# Altium PCB Avcilar_Kartli_Gecis_Sistemi.PcbDoc
Units mm, origin at the board's own origin, x right, y up, seen from the top; angles counter-clockwise.
Board outline 49 x 88 mm, 2 copper layers (Top Layer, Bottom Layer), stack 1.569 mm thick; 49 components, 46 nets, 194 pads, 92 vias.
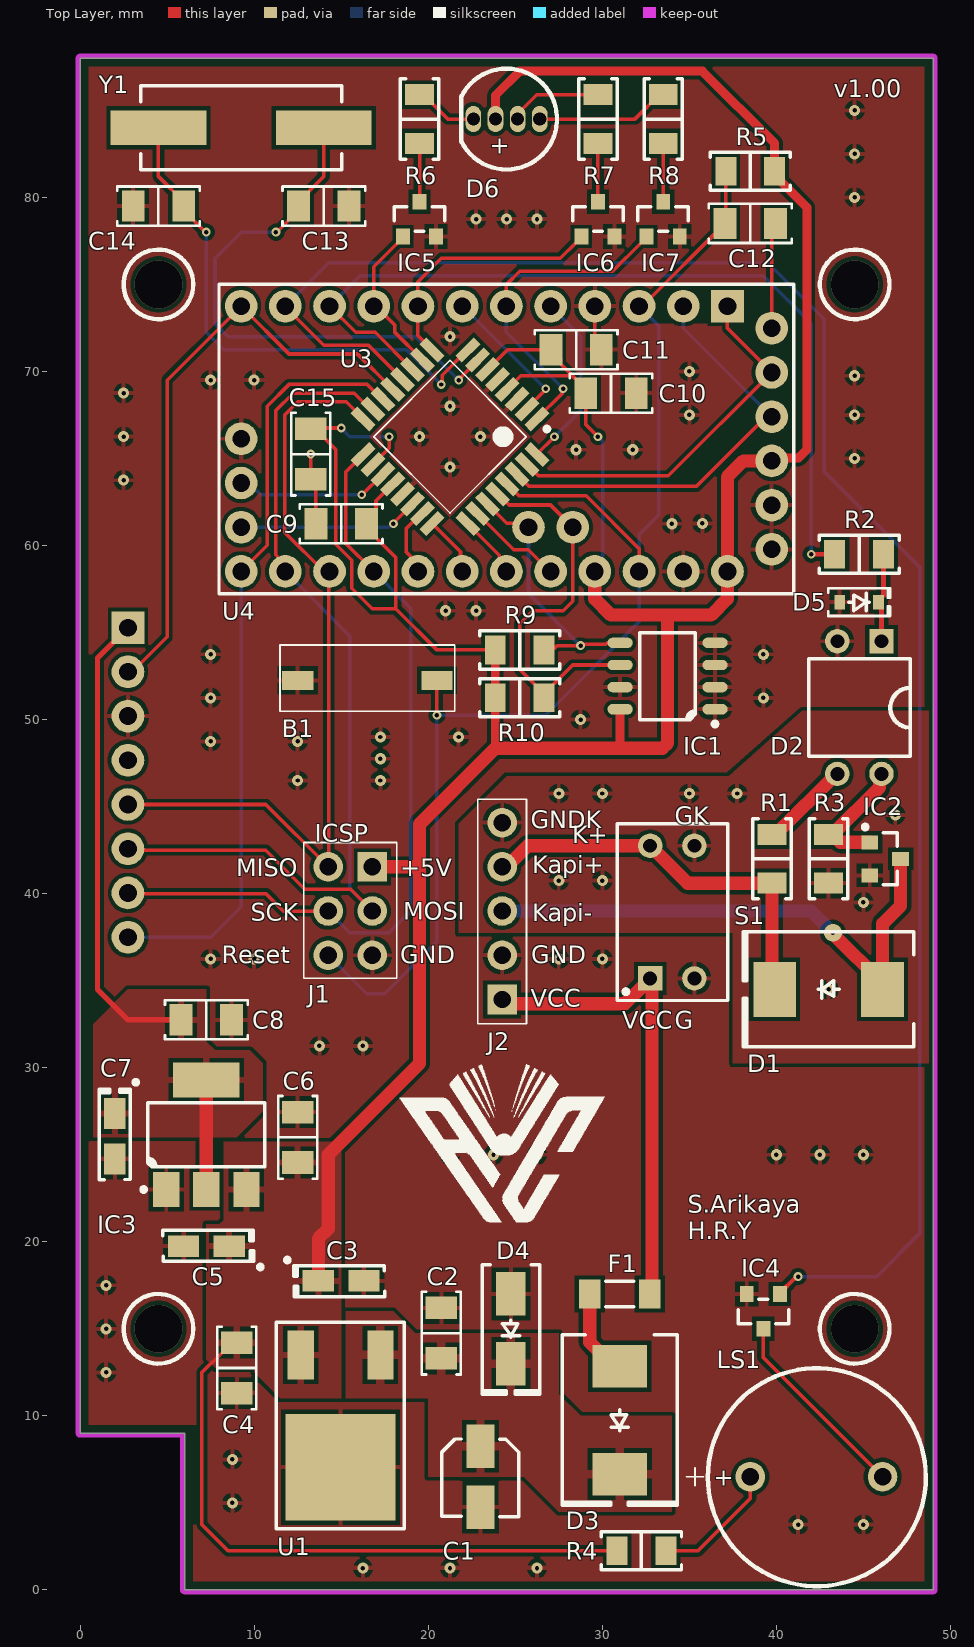
[diagram p0: Top Layer view]
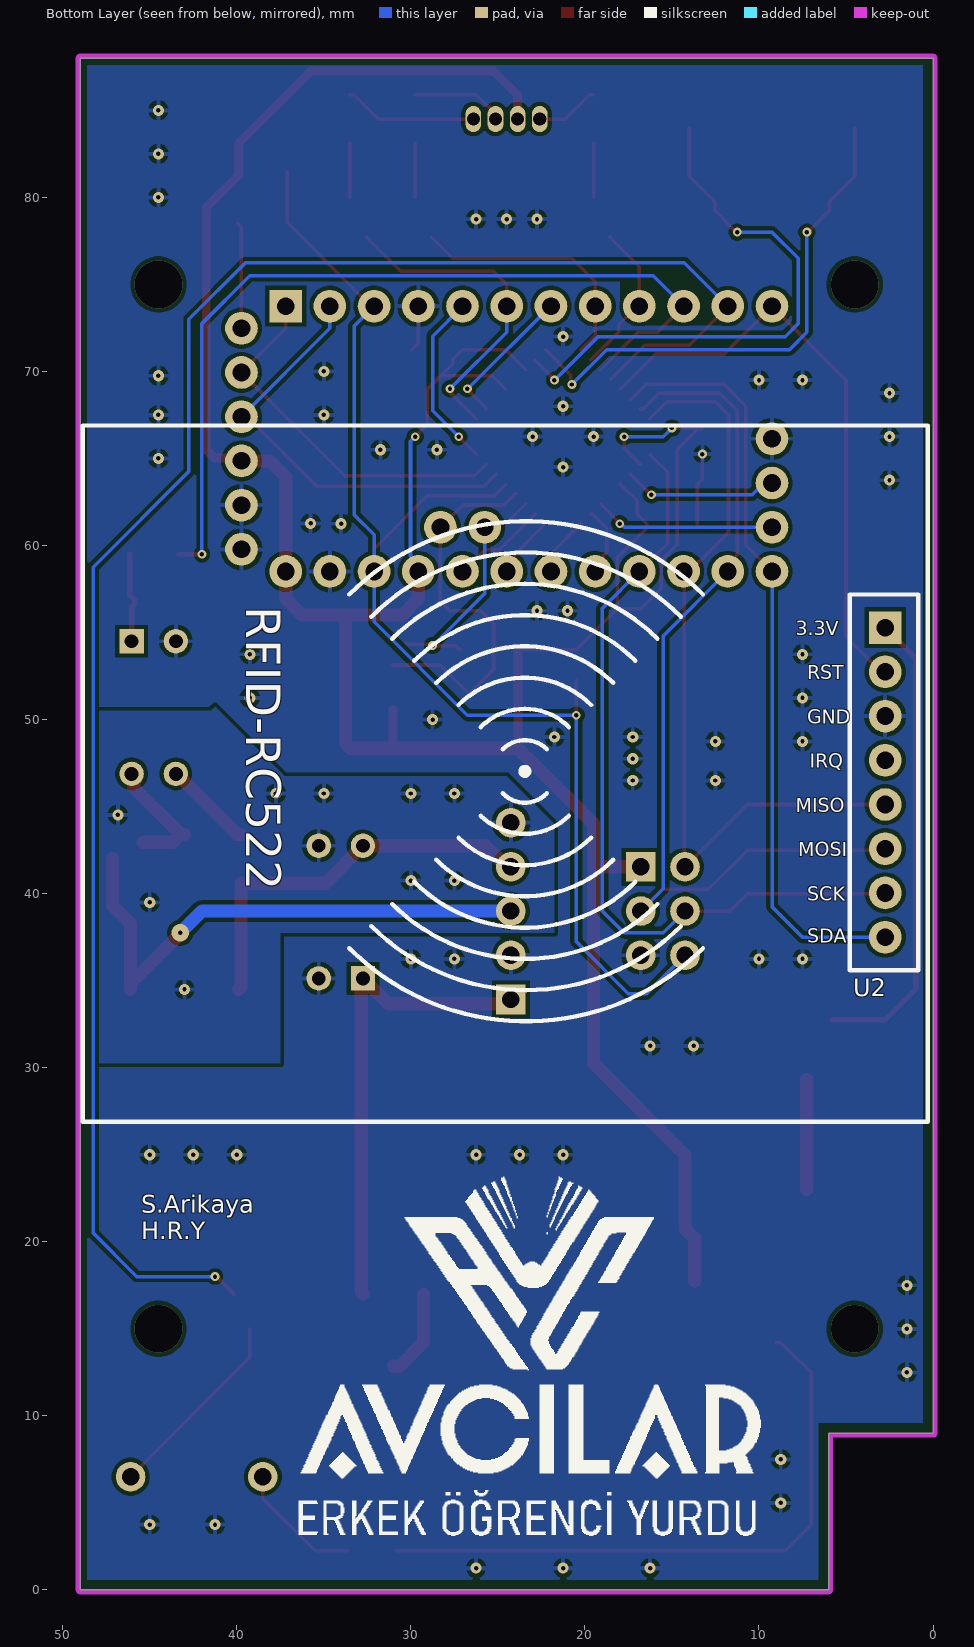
[diagram p1: Bottom Layer view, seen from below]

## Layer stack, top to bottom
Top Solder: solder mask 0.0254, SM-001, Dk 4
Top Layer: signal copper 0.035
Dielectric 1: core 1.4986, Core-043, Dk 4.3
Bottom Layer: signal copper 0.035
Bottom Solder: solder mask 0.0254, SM-001, Dk 4

## Board outline
0,9 0,88 49,88 49,0 6,0 6,9

## Design rules (kind name [scope] priority, off if disabled: settings)
Clearance [All] p1: gap=0.229 ignorepadtopadclearanceinfootprint=TRUE
PlaneClearance [All] p1: clearance=0.635
PlaneConnect [All] p1: planeconnectstyle=Relief reliefexpansion=0.508 reliefentries=4 reliefconductorwidth=0.254 reliefairgap=0.381
PolygonConnect [All] p1: connectstyle=Relief reliefconductorwidth=0.254 reliefentries=4 polygonreliefangle="90 Angle" airgapwidth=0.254
RoutingVias [All] p1: holewidth=0.254 width=0.508 viastyle="Through Hole" minholewidth=0.152 minwidth=0.254 maxholewidth=0.711 maxwidth=1.27
SilkToSilkClearance [All] p1: silktosilkclearance=0.203
SolderMaskExpansion [All] p1: expansion=0.102 istentingtop=FALSE
Width [All] p1: maxlimit=1.27 minlimit=0.203 preferedwidth=0.635 minimp=50.000000 maximp=50.000000 favimp=50.000000
27 further rules are at their usual default settings.

## Components (designator, comment, footprint, x,y, rotation, side; value= is the part's Value field where it differs from the comment)
B1 "Push Button Tact" "PUSB BUTTON-SMD TACT" 12.5,52.25 r0 top
C1 "1µF" "CAP ALSMD POLY 4.3MM H5.5MM" 23,6.5 r270 top
C2 "0.1µF" "CAP 1206_3216 - 1.8MM" 20.75,14.75 r270 top
C3 "10µF" "CAP POL 1206_3216" 15,17.75 r0 top
C4 "0.1µF" "CAP 1206_3216 - 1.0MM" 9,12.75 r90 top
C5 "10µF" "CAP POL 1206_3216" 7.25,19.75 r180 top
C6 "0.1µF" "CAP 1206_3216 - 1.0MM" 12.5,26 r270 top
C7 "10µF" "CAP POL 1206_3216" 2,26.06 r270 top
C8 "0.1µF" "CAP 1206_3216 - 1.0MM" 7.25,32.75 r180 top
C9 "0.1µF" "CAP 1206_3216 - 1.0MM" 15,61.25 r0 top
C10 "0.1µF" "CAP 1206_3216 - 1.0MM" 30.5,68.75 r180 top
C11 "0.1µF" "CAP 1206_3216 - 1.0MM" 28.5,71.25 r180 top
C12 "0.1µF" "CAP 1206_3216 - 1.0MM" 38.5,78.5 r180 top
C13 "10pF" "CAP 1206_3216 - 1.0MM" 14,79.5 r180 top
C14 "10pF" "CAP 1206_3216 - 1.0MM" 4.5,79.5 r0 top
C15 "0.1µF" "CAP 1206_3216 - 1.0MM" 13.25,65.25 r90 top
D1 "S2G_R3_00001" "DO214AB SMC" 43,34.5 r180 top
D2 "LTV-817S-TA" DIP-4 46.04,54.5 r270 top
D3 "S2G_R3_00001" "DO214AB SMC" 31,9.75 r270 top
D4 "TVS" "DO214AC SMA" 24.75,15 r270 top
D5 "1N4448WS-HE3-08" SOD323 44.75,56.75 r0 top
D6 "RGB LED" "RGB LED" 24.5,84.5 r0 top value=Green
F1 "3413.0219.22" "FUSE 1206_3216 0.6MM" 31,17 r0 top
IC1 "24C02C-I/SN" "MICROCHIP SOIC-8 150MIL WIDE" 33.75,52.5 r180 top
IC2 "IRLML0060TRPBF" "INFINEON SOT-23-3" 46.25,42 r0 top
IC3 "LD1117S33TR" "ST SOT-223" 7.25,26.15 r90 top
IC4 "2N7002" "ON SEMI SOT-23-3" 39.25,16 r270 top
IC5 "2N7002" "ON SEMI SOT-23-3" 19.5,78.75 r90 top
IC6 "2N7002" "ON SEMI SOT-23-3" 29.75,78.75 r90 top
IC7 "2N7002" "ON SEMI SOT-23-3" 33.5,78.75 r90 top
J1 "HEADER 2.54mm 2x3" "HEADER 2.54MM 2X3" 14.25,41.54 r270 top
J2 "HEADER 2.54mm 1x5" "HEADER 2.54MM 1X5" 24.25,33.92 r90 top
LS1 "BUZZER 5v" "BUZZER 5v" 38.5,6.5 r0 top
R1 "390 Ohm" "RES 1206_3216" 39.75,42 r270 top
R2 "220 Ohms" "RES 1206_3216" 44.75,59.5 r180 top
R3 "1.9 KOhm" "RES 1206_3216" 43,42 r90 top
R4 "330 Ohms" "RES 1206_3216" 32.25,2.25 r180 top
R5 "10 KOhms" "RES 1206_3216" 38.5,81.5 r180 top
R6 "330 Ohms" "RES 1206_3216" 19.5,84.5 r90 top
R7 "330 Ohms" "RES 1206_3216" 29.75,84.5 r90 top
R8 "330 Ohms" "RES 1206_3216" 33.5,84.5 r90 top
R9 "10 K" "RES 1206_3216" 25.25,54 r0 top
R10 "10 K" "RES 1206_3216" 25.25,51.25 r0 top
S1 "Switch Dip-4" "DIP-4 - SWITCH" 32.75,35.13 r90 top
U1 "LM78XX" "D2PAK-3 (TO263-3)" 14.964,7.05 r180 top
U2 "RFID-RC522" RFID-RC522 2.75,46.898 r270 bottom locked
U3 "ATMEGA328P-AU" TQFP80P900X900X120-32N 21.25,66.25 r225 top
U4 "Arduino_Pro_Mini" ARDUINO_PRO_MINI 41,75.02 r180 top locked
Y1 "16MHz" "TXC 9C" 9.25,84 r180 top

## Footprints (in the part's own frame and the unit in brackets; to place one, negate y for a bottom-side part, rotate by r counter-clockwise, add the part's x,y. Pads: shape width x height; smd on the part's side, far side on the other; paste and mask are expansions set on the pad)
ARDUINO_PRO_MINI [mil]
  rect 74x74 hole 40: 1(150,50)
  round 74 hole 40: 2(250,50) 3(350,50) 4(450,50) 5(550,50) 6(650,50) 7(750,50) 8(850,50) 9(950,50) 10(1050,50) 11(1150,50) 12(1250,50) 13(1250,650) 14(1150,650) 15(1050,650) 16(950,650) 17(850,650) 18(750,650) 19(650,650) 20(550,650) 21(450,650) 22(350,650) 23(250,650) 24(150,650) 25(50,600) 26(50,500) 27(50,400) 28(50,300) 29(50,200) 30(50,100) 31(1250,550) 32(1250,450) 33(1250,350) 34(600,550) 35(500,550)
  silkscreen extent 0,0 1300,700, body extent -10,-16 1329,716, height 594
"BUZZER 5v" [mm]
  round 1.7 hole 1: 1(0,0) 2(7.6,0)
  silkscreen extent -3.67,-6.28 10.09,6.23, body extent -2.18,-6.02 9.82,5.98, height 9.5
"CAP 1206_3216 - 1.0MM" [mm] "Chip Capacitor, 2-Leads, Body 3.25x1.60mm, IPC Medium Density"
  rect 1.3x1.8 smd: 1(-1.45,0) 2(1.45,0)
  silkscreen extent -2.37,-1.12 2.37,1.12, body extent -1.6,-0.8 1.6,0.8, height 1
"CAP 1206_3216 - 1.8MM" [mm] "Chip Capacitor, 2-Leads, Body 3.25x1.60mm, IPC Medium Density"
  rect 1.3x1.8 smd: 1(-1.45,0) 2(1.45,0)
  silkscreen extent -2.37,-1.12 2.37,1.12, body extent -1.6,-0.8 1.6,0.8, height 1.8
"CAP ALSMD POLY 4.3MM H5.5MM" [mm] "Aluminum Polymer Capacitor, Body 4.30x4.30x5.50mm, IPC Low Density"
  rect 2.5x1.6 smd: 1(-1.75,0) 2(1.75,0)
  silkscreen extent -2.17,-2.21 2.3,2.2, body extent -2.3,-2.2 2.3,2.2, height 5.5
"CAP POL 1206_3216" [mm] "Molded Capacitor, 2-Leads, Body 3.20x1.6mm, IPC Medium Density"
  rect 1.8x1.23 smd: 1(-1.31,0) 2(1.31,0)
  silkscreen extent -3.22,-0.9 2.5,1.32, body extent -1.72,-0.85 1.71,0.85, height 1.7
"D2PAK-3 (TO263-3)" [mm]
  rect 1.5x2.8 smd: 1(-2.286,-6.45) 3(2.286,-6.45)
  rect 6.3x6.1 smd: 2(0,0)
  silkscreen extent -3.66,-8.33 3.71,3.53, body extent -3.39,-7.34 3.34,2.76, height 2.37
DIP-4 [mm]
  rect 1.4x1.4 hole 0.8: 1(0,0)
  round 1.4 hole 0.8: 2(0,-2.54) 3(7.62,0) 4(7.62,-2.54)
  silkscreen extent 1.02,-4.19 6.6,1.65, body extent -0.19,-4.04 7.81,1.5, height 4.31
"DIP-4 - SWITCH" [mm]
  rect 1.4x1.4 hole 0.8: 1(0,0)
  round 1.4 hole 0.8: 2(0,-2.54) 3(7.62,0) 4(7.62,-2.54)
  silkscreen extent -1.27,-4.44 8.89,1.91, body extent -1.14,-4.32 8.76,1.76, height 6.85
"DO214AB SMC" [mm] "Molded Diode, 2-Leads, Body 6.85x5.90mm, IPC Medium Density"
  rect 2.45x3.15 smd: 1(-3.1,0) 2(3.1,0)
  silkscreen extent -4.9,-3.3 4.9,3.3, body extent -3.97,-2.95 3.97,2.95, height 2.6
"DO214AC SMA" [mm] "Molded Diode, 2-Leads, Body 4.30x2.60mm, IPC Medium Density"
  rect 2.5x1.7 smd: 1(-2,0) 2(2,0)
  silkscreen extent -3.68,-1.65 3.75,1.65, body extent -2.6,-1.37 2.6,1.37, height 2.4
"FUSE 1206_3216 0.6MM" [mm] "Chip Fuse 1.5A AC 63V DC, 2-Leads, Body 3.10x1.55mm, IPC Medium Densitym"
  rect 1.25x1.65 smd: 1(-1.725,0) 2(1.725,0)
  silkscreen extent -0.8,-0.72 0.8,0.72, body extent -1.55,-0.77 1.55,0.78, height 0.76
"HEADER 2.54MM 1X5" [mm]
  rect 1.7x1.7 hole 1: 1(0,0)
  round 1.7 hole 1: 2(2.54,0) 3(5.08,0) 4(7.62,0) 5(10.16,0)
  silkscreen extent -1.4,-1.4 11.5,1.4, body extent -1.3,-1.25 11.4,1.25, height 8.6
"HEADER 2.54MM 2X3" [mm]
  round 1.7 hole 1: 1(0,0) 3(2.54,0) 4(2.54,2.54) 5(5.08,0) 6(5.08,2.54)
  rect 1.7x1.7 hole 1: 2(0,2.54)
  silkscreen extent -1.4,-1.4 6.4,3.94, body extent -1.3,-1.25 6.32,3.79, height 8.6
"INFINEON SOT-23-3" [mm] "SOT23, 3-Leads, Body 2.90x2.40mm, Pitch 0.95mm, IPC Medium Density"
  rect 0.972x0.802 smd: 1(-0.885,0.95) 2(-0.885,-0.95) 3(0.885,0)
  silkscreen extent -1.27,-1.5 0.7,1.95, body extent -1.16,-1.45 1.16,1.45, height 1
"MICROCHIP SOIC-8 150MIL WIDE" [mm] "SOIC, 8-Leads, Body 4.90x3.90mm, Pitch 1.27mm, IPC Medium Density"
  oval 1.45x0.6 smd: 1(-2.725,1.905) 2(-2.725,0.635) 3(-2.725,-0.635) 4(-2.725,-1.905) 5(2.725,-1.905) 6(2.725,-0.635) 7(2.725,0.635) 8(2.725,1.905)
  silkscreen extent -2.85,-2.5 1.6,2.88, body extent -3.01,-2.45 3.01,2.45, height 1.5
"ON SEMI SOT-23-3" [mm] "SOT23, 3-Leads, Body 2.90x2.40mm, Pitch 0.95mm, IPC Medium Density"
  rect 0.9x0.8 smd: 1(-1,0.95) 2(-1,-0.95) 3(1,0)
  silkscreen extent -0.7,-1.45 0.7,1.45, body extent -1.16,-1.45 1.16,1.45, height 1
"PUSB BUTTON-SMD TACT" [mm]
  rect 1.8x1.1 smd mask+0.05: 1(0,0) 2(8,0)
  silkscreen extent -1.02,-1.78 9.02,2.03, body extent 0.06,-1.65 8.06,1.85, height 4.3
"RES 1206_3216" [mm] "Chip Resistor, 2-Leads, Body 3.13x1.55mm, IPC Medium Density"
  rect 1.2x1.65 smd: 1(-1.4,0) 2(1.4,0)
  silkscreen extent -2.3,-1.1 2.3,1.1, body extent -1.6,-0.8 1.6,0.8, height 0.6
RFID-RC522 [mil] "RFID reader PCB module with antena"
  rect 74x74 hole 40: 1(-330,0)
  round 74 hole 40: 2(-230,0) 3(-130,0) 4(-30,0) 5(70,0) 6(170,0) 7(270,0) 8(370,0)
  silkscreen extent -787,-1815 788,96, body extent -782,-2272 792,90, height 383
"RGB LED" [mm]
  oval 0.9x1.5 hole 0.75: 1(-1.905,0) 2(-0.635,0) 3(0.635,0) 4(1.905,0)
  silkscreen extent -2.59,-2.9 2.9,2.9, body extent -2.57,-2.92 2.83,2.88, height 9.7
SOD323 [mm] "SOD, 2-Leads, Body 1.25x2.50mm, IPC Medium Density"
  rect 0.625x0.83 smd: 1(-1.112,0) 2(1.112,0)
  silkscreen extent -1.78,-0.8 1.78,0.8, body extent -1.36,-0.62 1.36,0.62, height 1.05
"ST SOT-223" [mm] "SOT223, 4-Leads, Body 6.50x7.00mm (avg), Pitch 2.30mm, IPC Medium Density"
  rect 2x1.5 smd: 1(-3.15,2.3) 2(-3.15,0) 3(-3.15,-2.3)
  rect 2x3.8 smd: 4(3.15,0)
  silkscreen extent -3.27,-3.35 1.85,3.72, body extent -3.52,-3.25 3.5,3.25, height 1.8
TQFP80P900X900X120-32N [mm] "TQFP, 32-Leads, Body 7.00x7.00mm, Pitch 0.80mm, IPC Medium Density"
  rect 1.5x0.55 smd mask+0.05: 1(-4.25,2.8) 2(-4.25,2) 3(-4.25,1.2) 4(-4.25,0.4) 5(-4.25,-0.4) 6(-4.25,-1.2) 7(-4.25,-2) 8(-4.25,-2.8) 17(4.25,-2.8) 18(4.25,-2) 19(4.25,-1.2) 20(4.25,-0.4) 21(4.25,0.4) 22(4.25,1.2) 23(4.25,2) 24(4.25,2.8)
  rect 0.55x1.5 smd mask+0.05: 9(-2.8,-4.25) 10(-2,-4.25) 11(-1.2,-4.25) 12(-0.4,-4.25) 13(0.4,-4.25) 14(1.2,-4.25) 15(2,-4.25) 16(2.8,-4.25) 25(2.8,4.25) 26(2,4.25) 27(1.2,4.25) 28(0.4,4.25) 29(-0.4,4.25) 30(-1.2,4.25) 31(-2,4.25) 32(-2.8,4.25)
  silkscreen extent -4.37,-3.1 3.1,3.75, body extent -4.5,-4.5 4.5,4.5, height 1.2
"TXC 9C" [mm] "Crystal, 2-Leads, Body 4.70x11.40mm, Pitch 8.80mm, IPC Medium Density"
  rect 5.5x2 smd: 1(-4.75,0) 2(4.75,0)
  silkscreen extent -5.77,-2.43 5.77,2.43, body extent -6.35,-2.35 6.35,2.35, height 4.2

## Part data
B1: "Smd Push Button Tact Mini Tip", Satın Alma Linki=https://urun.n11.com/diger/mini-pushbutton-switch-smd-P227461537?gclid=Cj0KCQjwkoDmBRCcARIsAG3xzl8Y_-jeD7HocNM6lvuZ_rVp83568XPGtNzlPwXWLph8oCRqo0yh87UaApZYEALw_wcB&gclsrc=aw.ds
C1: library part 50SEV1M4X5.5, "CAP ALUM 1UF 20% 50V SMD", Device Package="Radial, Can - SMD", Lifetime @ Temp.="2000 Hrs @ 85°C", Manufacturer=Rubycon, Operating Temperature="-40°C ~ 85°C", Ratings=AEC-Q200, Ripple Current @ High Frequency="12.6mA @ 10kHz", Ripple Current @ Low Frequency="8.4mA @ 120Hz", Supplier Part Number 1=1189-2464-1-ND, Tolerance=±20%, Voltage - Rated=50V, Applications=Automotive, Capacitance=1µF, ComponentLink1Description=Datasheet, ComponentLink1URL=http://www.rubycon.co.jp/en/catalog/e_pdfs/aluminum/e_sev.pdf, ComponentLink2Description="DigiKey Link", ComponentLink2URL=http://digikey.com/product-detail/en/rubycon/50SEV1M4X5.5/1189-2464-1-ND/4842368, Height - Seated (Max)="0.217\" (5.50mm)", LastUpdated="02/09/2020 01:23:45", Lifecycle Status=Active, Minimum Order=1, Mounting Type="Surface Mount", Package / Case="Radial, Can - SMD", Packaging=TapeAndReel, Part Number=50SEV1M4X5.5, Part Status=Active, PartId=7344, Polarization=Polar, Price=0.10, Series=SEV, Size / Dimension="0.157\" Dia (4.00mm)", Supplier 1=DigiKey, Surface Mount Land Size="0.169\" L x 0.169\" W (4.30mm x 4.30mm)"
C2: library part CC1206JKNPO9BN104, "CAP CER 0.1UF 50V C0G/NP0 1206", Device Package="1206 (3216 Metric)", Manufacturer=Yageo, Operating Temperature="-55°C ~ 125°C", Supplier Part Number 1=311-4621-1-ND, Temperature Coefficient="C0G, NP0", Tolerance=±5%, Voltage - Rated=50V, Applications="General Purpose", Capacitance=0.1µF, ComponentLink1Description=Datasheet, ComponentLink1URL=https://www.yageo.com/upload/media/product/productsearch/datasheet/mlcc/UPY-GP_NP0_16V-to-50V_17.pdf, ComponentLink2Description="DigiKey Link", ComponentLink2URL=http://digikey.com/product-detail/en/yageo/CC1206JKNPO9BN104/311-4621-1-ND/9645659, LastUpdated="02/09/2020 01:05:25", Lifecycle Status=Active, Minimum Order=1, Mounting Type="Surface Mount, MLCC", Package / Case="1206 (3216 Metric)", Packaging=TapeAndReel, Part Number=CC1206JKNPO9BN104, Part Status=Active, PartId=22519, Price=0.64, Series=CC, Size / Dimension="0.126\" L x 0.063\" W (3.20mm x 1.60mm)", Supplier 1=DigiKey, Thickness (Max)="0.071\" (1.80mm)"
C3 C5 C7: library part 293D106X9016A2TE3, "CAP TANT 10UF 10% 16V 1206 A Case", Device Package="1206 (3216 Metric)", ESR (Equivalent Series Resistance)=3Ohm, Manufacturer="Vishay Sprague", Manufacturer Size Code=A, Operating Temperature="-55°C ~ 125°C", Supplier Part Number 1=718-1123-1-ND, Tolerance=±10%, Voltage - Rated=16V, Capacitance=10µF, ComponentLink1Description=Datasheet, ComponentLink1URL=http://www.vishay.com/docs/40002/293d.pdf, ComponentLink2Description="DigiKey Link", ComponentLink2URL=http://digikey.com/product-detail/en/vishay-sprague/293D106X9016A2TE3/718-1123-1-ND/1559617, Features="General Purpose", Height - Seated (Max)="0.071\" (1.80mm)", LastUpdated="02/09/2020 01:15:58", Lifecycle Status=Active, Minimum Order=1, Mounting Type="Surface Mount", Package / Case="1206 (3216 Metric)", Packaging=TapeAndReel, Part Number=293D106X9016A2TE3, Part Status=Active, PartId=347, Price=0.13, Series="TANTAMOUNT®, 293D", Size / Dimension="0.126\" L x 0.063\" W (3.20mm x 1.60mm)", Supplier 1=DigiKey, Type=Molded
C4 C6 C8 C9 C10 C11 C12 C15: library part C1206C104K4RACTU, "CAP CER 0.1UF 16V X7R 1206", Device Package="1206 (3216 Metric)", Manufacturer=KEMET, Operating Temperature="-55°C ~ 125°C", Supplier Part Number 1=399-9305-1-ND, Temperature Coefficient=X7R, Tolerance=±10%, Voltage - Rated=16V, Applications="Bypass, Decoupling", Capacitance=0.1µF, ComponentLink1Description=Datasheet, ComponentLink1URL=https://api.kemet.com/component-edge/download/datasheet/C1206C104K4RACTU.pdf, ComponentLink2Description="DigiKey Link", ComponentLink2URL=http://digikey.com/product-detail/en/kemet/C1206C104K4RACTU/399-9305-1-ND/3522823, LastUpdated="02/09/2020 01:05:06", Lifecycle Status=Active, Minimum Order=1, Mounting Type="Surface Mount, MLCC", Package / Case="1206 (3216 Metric)", Packaging=TapeAndReel, Part Number=C1206C104K4RACTU, Part Status=Active, PartId=19049, Price=0.02, Series="SMD Comm X7R", Size / Dimension="0.126\" L x 0.063\" W (3.20mm x 1.60mm)", Supplier 1=DigiKey, Thickness (Max)="0.035\" (0.88mm)"
C13 C14: library part C1206C104K4RACTU, "CAP CER 0.1UF 16V X7R 1206", Capacitance=0.1µF, Device Package="1206 (3216 Metric)", Manufacturer=KEMET, Operating Temperature="-55°C ~ 125°C", Supplier Part Number 1=399-9305-1-ND, Temperature Coefficient=X7R, Tolerance=±10%, Voltage - Rated=16V, Applications="Bypass, Decoupling", ComponentLink1Description=Datasheet, ComponentLink1URL=https://api.kemet.com/component-edge/download/datasheet/C1206C104K4RACTU.pdf, ComponentLink2Description="DigiKey Link", ComponentLink2URL=http://digikey.com/product-detail/en/kemet/C1206C104K4RACTU/399-9305-1-ND/3522823, LastUpdated="02/09/2020 01:05:06", Lifecycle Status=Active, Minimum Order=1, Mounting Type="Surface Mount, MLCC", Package / Case="1206 (3216 Metric)", Packaging=TapeAndReel, Part Number=C1206C104K4RACTU, Part Status=Active, PartId=19049, Price=0.02, Series="SMD Comm X7R", Size / Dimension="0.126\" L x 0.063\" W (3.20mm x 1.60mm)", Supplier 1=DigiKey, Thickness (Max)="0.035\" (0.88mm)"
D1 D3: library part SMCJ33A-TR, "ER3J-HT SMD 3A 600V Diyot", Current - Peak Pulse (10/1000µs)=3A, Manufacturer=STMicroelectronics, Operating Temperature="-55°C ~ 150°C (TJ)", Package / Case="DO-214AB, SMC", Supplier Device Package=SMC, Applications="General Purpose", ComponentLink1Description=Datasheet, ComponentLink1URL=http://www.st.com/content/ccc/resource/technical/document/datasheet/ed/51/0b/1f/07/5e/42/1e/CD00001367.pdf/files/CD00001367.pdf/jcr:content/translations/en.CD00001367.pdf, ComponentLink2Description="DigiKey Link", ComponentLink2URL=http://digikey.com/product-detail/en/stmicroelectronics/SMCJ33A-TR/497-6520-1-ND/1865331, ComponentLink3Description="New link", ComponentLink3URL=https://www.direnc.net/er3j-ht-smd-3a-600v-diyot, Lifecycle Status=Active, Minimum Order=1, Mounting Type="Surface Mount", Packaging=TapeAndReel, Part Number=S2G_R3_00001, Series="SMCJ, TRANSIL™", Supplier 1=DigiKey, Type=Diode
D2: "OPTOISOLATR 5KV TRANSISTOR 4-SMD", Current - DC Forward (If) (Max)=50mA, Current Transfer Ratio (Max)="600% @ 5mA", Current Transfer Ratio (Min)="50% @ 5mA", Device Package="4-SMD, Gull Wing", Manufacturer="Lite-On Inc.", Operating Temperature="-30°C ~ 110°C", Supplier Device Package=4-SMD, Supplier Part Number 1=160-2038-1-ND, Voltage - Forward (Vf) (Typ)=1.2V, Voltage - Isolation=5000Vrms, Voltage - Output (Max)=35V, ComponentLink1Description=Datasheet, ComponentLink1URL=http://optoelectronics.liteon.com/upload/download/DS-70-96-0016/LTV-8X7%20series%20201610%20.pdf, ComponentLink2Description="DigiKey Link", ComponentLink2URL=http://digikey.com/product-detail/en/lite-on-inc/LTV-817S-TA/160-2038-1-ND/3711420, Current - Output / Channel=50mA, Input Type=DC, LastUpdated="12/01/2020 21:59:02", Lifecycle Status=Active, Minimum Order=1, Mounting Type="Surface Mount", Number of Channels=1, Output Type=Transistor, Package / Case="4-SMD, Gull Wing", Packaging=TapeAndReel, Part Number=LTV-817S-TA, Part Status=Active, Price=0.12, Rise / Fall Time (Typ)="4µs, 3µs", Series=-, Supplier 1=DigiKey, Vce Saturation (Max)=200mV
D4: library part SMA6J28AHR3G, "TVS DIODE 28V 44V DO214AC", Current - Peak Pulse (10/1000µs)=13.6A, Manufacturer="Taiwan Semiconductor Corporation", Operating Temperature="-55°C ~ 175°C (TJ)", Package / Case="DO-214AC, SMA", Power - Peak Pulse=600W, Power Line Protection=No, Supplier Device Package="DO-214AC (SMA)", Supplier Part Number 1=SMA6J28AHR3GCT-ND, Voltage - Breakdown (Min)=31.1V, Voltage - Clamping (Max) @ Ipp=44V, Voltage - Reverse Standoff (Typ)=28V, Applications=Automotive, ComponentLink1Description=Datasheet, ComponentLink1URL=https://www.taiwansemi.com/products/datasheet/SMA6J%20SERIES_D15.pdf, ComponentLink2Description="DigiKey Link", ComponentLink2URL=http://digikey.com/product-detail/en/taiwan-semiconductor-corporation/SMA6J28AHR3G/SMA6J28AHR3GCT-ND/7358772, LastUpdated="02/09/2020 01:20:15", Lifecycle Status=Active, Minimum Order=1, Mounting Type="Surface Mount", Packaging=TapeAndReel, Part Number=SMA6J28AHR3G, Part Status=Active, PartId=5851, Price=0.13, Series="Automotive, AEC-Q101, SMA6J", Supplier 1=DigiKey, Type=Zener, Unidirectional Channels=1